# KiCad board mist1010.kicad_pcb (continued)
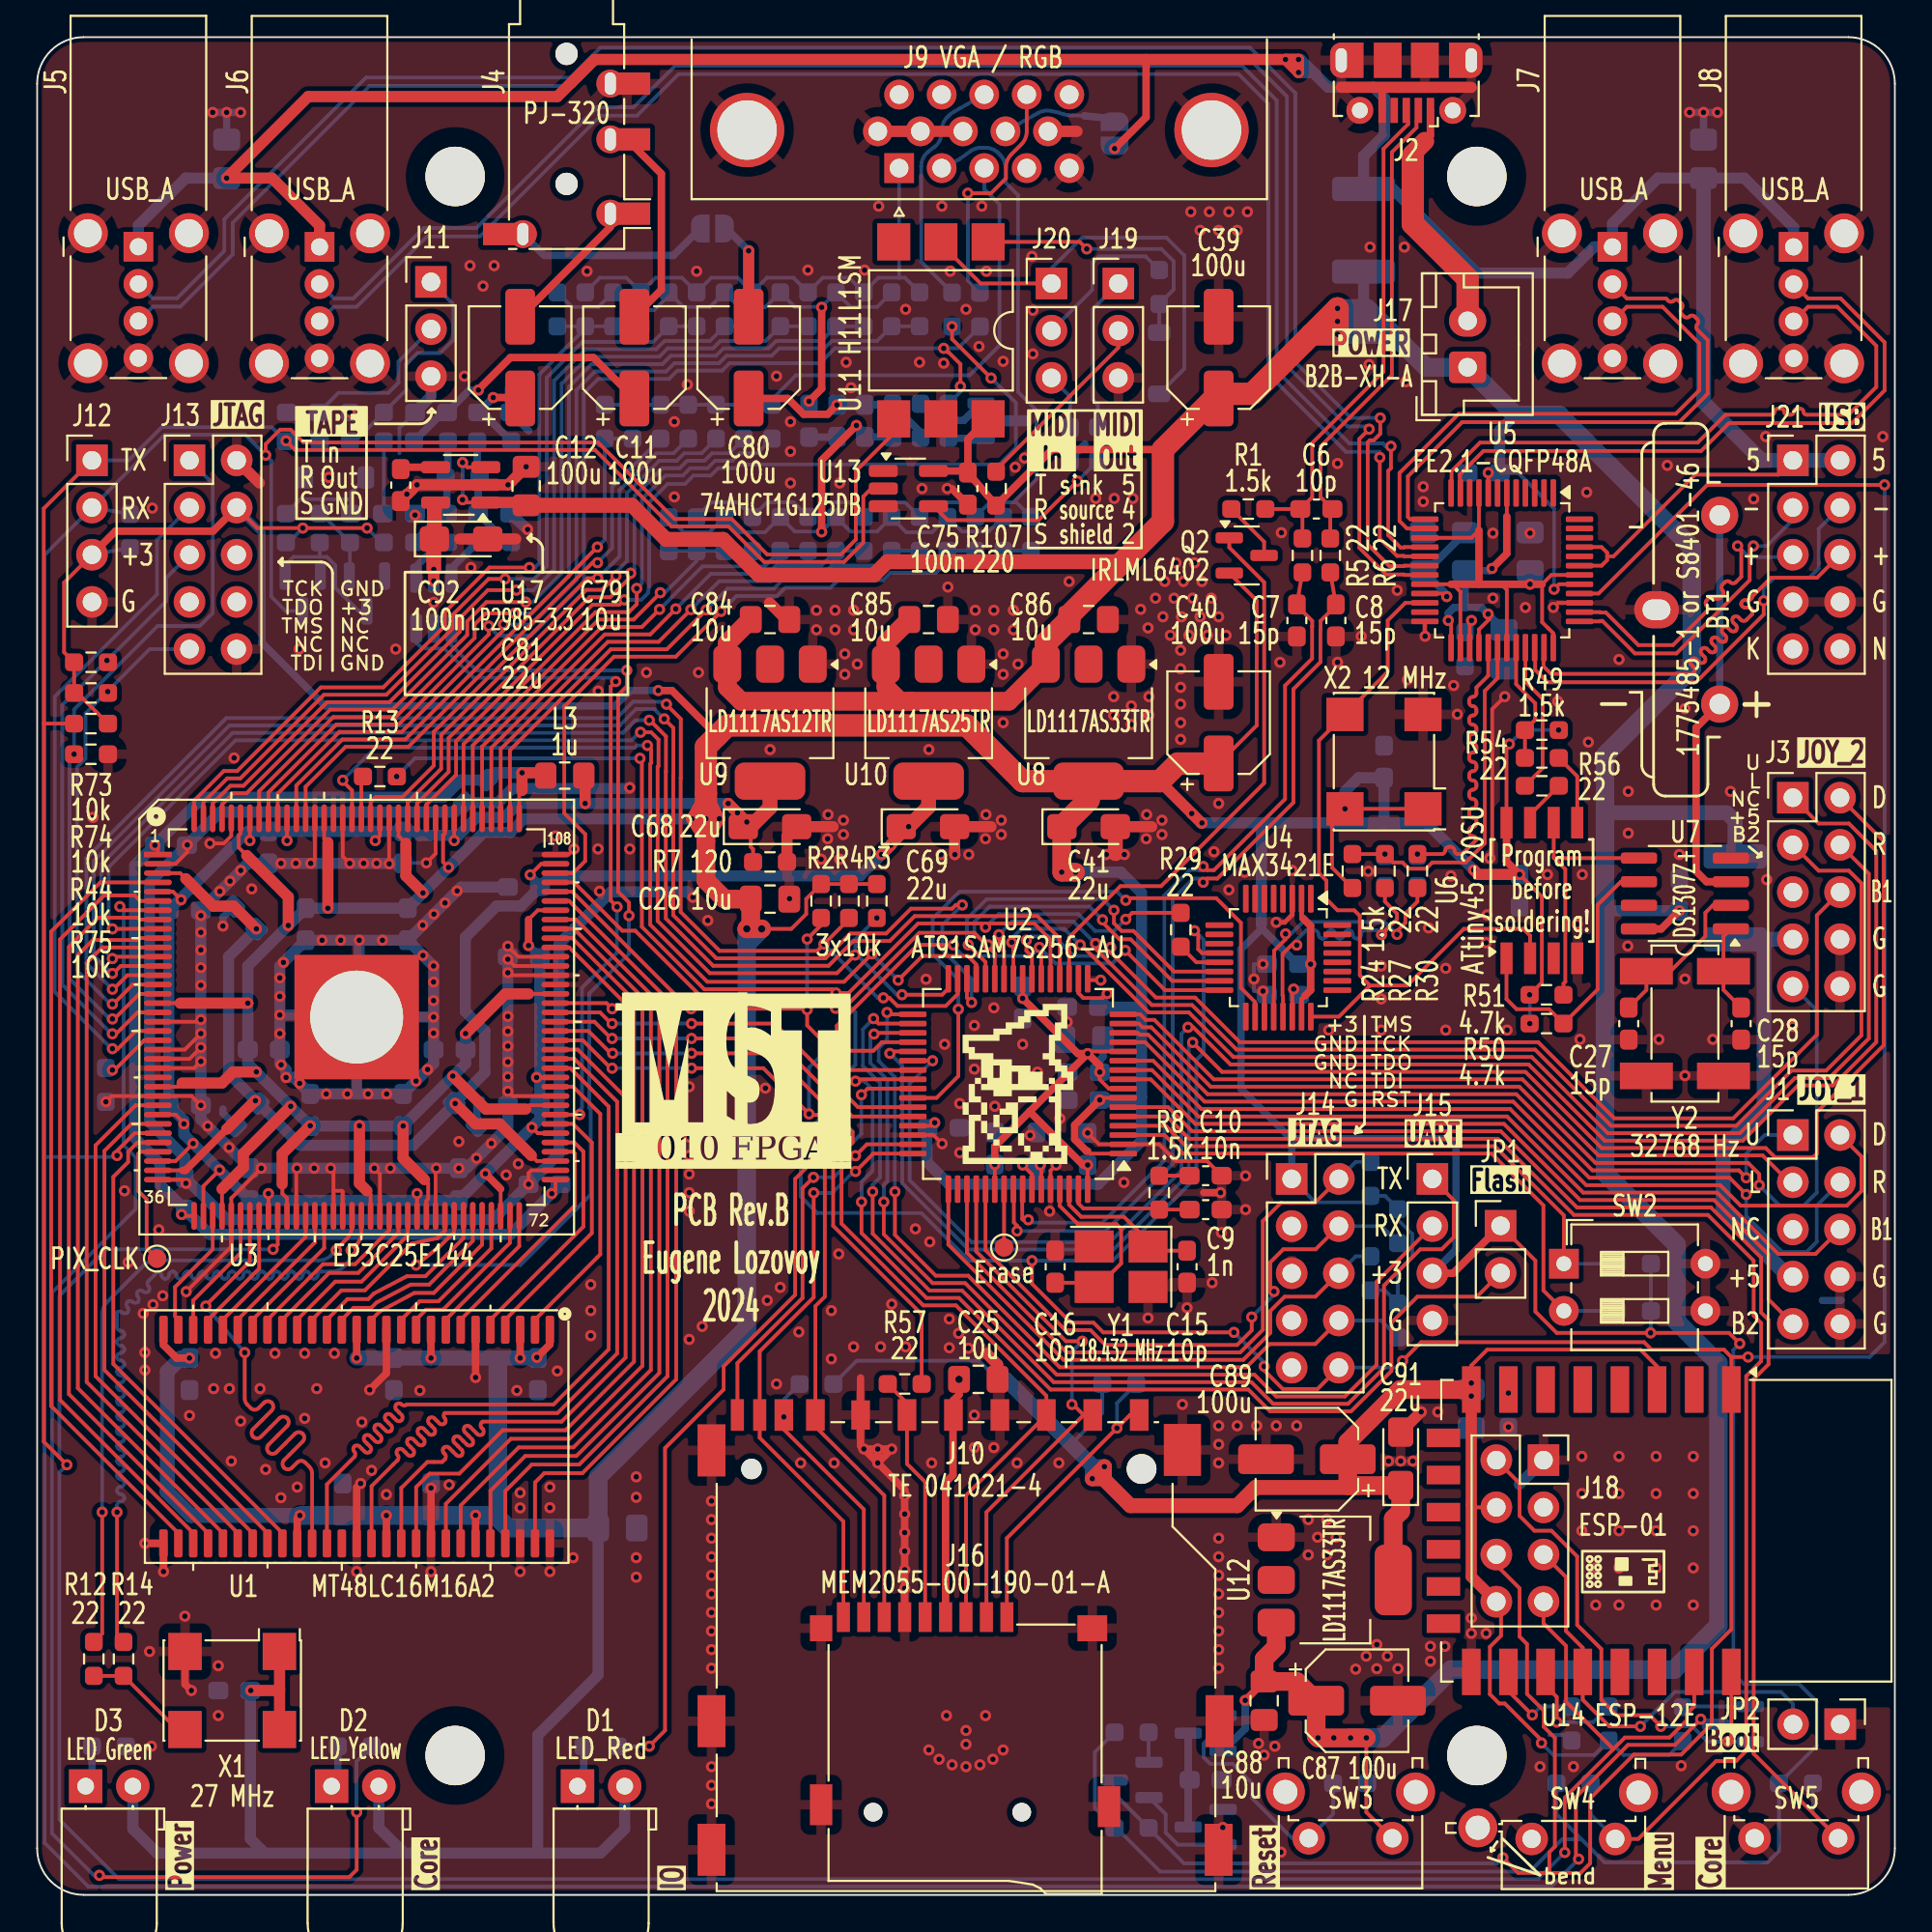
[diagram p0: board, top side]
## Footprints (pads in the part's own frame, mm; a bottom-side part is the same pattern mirrored in y, then rotated) (continued)
  rrect 0.3x1.475 smd: 13(-2.75,-4.162) 14(-2.25,-4.162) 15(-1.75,-4.162) 16(-1.25,-4.162) 17(-0.75,-4.162) 18(-0.25,-4.162) 19(0.25,-4.162) 20(0.75,-4.162) 21(1.25,-4.162) 22(1.75,-4.162) 23(2.25,-4.162) 24(2.75,-4.162) 37(2.75,4.162) 38(2.25,4.162) 39(1.75,4.162) 40(1.25,4.162) 41(0.75,4.162) 42(0.25,4.162) 43(-0.25,4.162) 44(-0.75,4.162) 45(-1.25,4.162) 46(-1.75,4.162) 47(-2.25,4.162) 48(-2.75,4.162)
MountingHole_3.2mm_M3_dk5.2mm_Mask
  round 5.2 hole 3.2 unplated: (0,0)
Oscillator_SMD_7050_7.0x5.0mm
  rect 1.8x2 smd: 1(-2.54,-2.1) 2(2.54,-2.1) 3(2.54,2.1) 4(-2.54,2.1)
PinHeader_1x02_P2.54mm_Vertical
  rect 1.7x1.7 hole 1: 1(0,0)
  oval 1.7x1.7 hole 1: 2(0,-2.54)
PinHeader_1x03_P2.54mm_Vertical
  rect 1.7x1.7 hole 1: 1(0,0)
  oval 1.7x1.7 hole 1: 2(0,-2.54) 3(0,-5.08)
PinHeader_1x04_P2.54mm_Vertical
  rect 1.7x1.7 hole 1: 1(0,0)
  oval 1.7x1.7 hole 1: 2(0,-2.54) 3(0,-5.08) 4(0,-7.62)
PinHeader_2x05_P2.54mm_Vertical
  rect 1.7x1.7 hole 1: 1(0,0)
  oval 1.7x1.7 hole 1: 2(2.54,0) 3(0,-2.54) 4(2.54,-2.54) 5(0,-5.08) 6(2.54,-5.08) 7(0,-7.62) 8(2.54,-7.62) 9(0,-10.16) 10(2.54,-10.16)
PinSocket_2x04_P2.54mm_Vertical
  rect 1.7x1.7 hole 1: 1(0,0)
  oval 1.7x1.7 hole 1: 2(-2.54,0) 3(0,-2.54) 4(-2.54,-2.54) 5(0,-5.08) 6(-2.54,-5.08) 7(0,-7.62) 8(-2.54,-7.62)
PJ-320A_D
  round 1.2 hole 1.2 unplated: (0,3.5) (0,-3.5)
  round 1.5 hole 0.6x1.2: R1(2.35,-1.1) R2(2.35,1.9) S(-2.35,-6.2) T(2.35,-5.1)
  rect 2.5x1.2 smd: R1(3.25,-1.1) R2(3.25,1.9) S(-3.25,-6.2) T(3.25,-5.1)
R_0603_1608Metric_Pad0.98x0.95mm_HandSolder
  rrect 0.975x0.95 smd: 1(-0.912,0) 2(0.912,0)
SD_TE_2041021-mod
  round 1.1 hole 1.1 unplated: (-11.5,9.175)
  round 1.6 hole 1.6 unplated: (9.5,9.175)
  rect 1x1.7 smd: 1(6.875,12.08) 2(4.375,12.08) 3(1.875,12.08) 4(-0.625,12.08) 5(-3.125,12.08) 7(-8.055,12.08) 8(-9.755,12.08) 9(9.375,12.08)
  rect 1x1.57 smd: 6(-5.625,12.08)
  rect 0.7x1.7 smd: 10(-11.055,12.08) 11(-12.255,12.08)
  rect 1.5x2.8 smd: 12(-13.65,10.175) 13(-13.65,-4.4) 13(-13.65,-11.325) 13(13.65,-11.325) 13(13.7,-4.4)
  rect 2x2.8 smd: 12(11.7,10.2)
SMDIP-6_W9.53mm
  rect 2x1.78 smd: 1(-4.765,2.54) 2(-4.765,0) 3(-4.765,-2.54) 4(4.765,-2.54) 5(4.765,0) 6(4.765,2.54)
SOIC-8_3.9x4.9mm_P1.27mm
  rrect 1.95x0.6 smd: 1(-2.475,1.905) 2(-2.475,0.635) 3(-2.475,-0.635) 4(-2.475,-1.905) 5(2.475,-1.905) 6(2.475,-0.635) 7(2.475,0.635) 8(2.475,1.905)
SOIC-8W_5.3x5.3mm_P1.27mm
  rect 1.7x0.65 smd: 1(-3.65,1.905) 2(-3.65,0.635) 3(-3.65,-0.635) 4(-3.65,-1.905) 5(3.65,-1.905) 6(3.65,-0.635) 7(3.65,0.635) 8(3.65,1.905)
SolderJumper-2_P1.3mm_Open_RoundedPad1.0x1.5mm
  custom 1x1.5 smd: 1(-0.65,0) 2(0.65,0)
SOT-23
  rrect 1.475x0.6 smd: 1(-0.938,0.95) 2(-0.938,-0.95) 3(0.938,0)
SOT-23-5_HandSoldering
  rrect 1.56x0.65 smd: 1(-1.35,0.95) 2(-1.35,0) 3(-1.35,-0.95) 4(1.35,-0.95) 5(1.35,0.95)
SOT-23-6_Handsoldering
  rrect 1.56x0.65 smd: 1(-1.35,0.95) 2(-1.35,0) 3(-1.35,-0.95) 4(1.35,-0.95) 5(1.35,0) 6(1.35,0.95)
SOT-223-3_TabPin2
  rrect 2x1.5 smd: 1(-3.15,2.3) 2(-3.15,0) 3(-3.15,-2.3)
  rrect 2x3.8 smd: 2(3.15,0)
SW_DIP_SPSTx02_Slide_6.7x6.64mm_W7.62mm_P2.54mm_LowProfile
  rect 1.6x1.6 hole 0.8: 1(0,0)
  oval 1.6x1.6 hole 0.8: 2(0,-2.54) 3(7.62,-2.54) 4(7.62,0)
SW_Tactile_SPST_Angled_PTS645Vx58-2LFS
  round 2.1 hole 1.3: (-1.25,-2.49) (7.4,-0.6)
  round 1.75 hole 0.99: 1(0,0) 2(4.5,0)
SW_Tactile_SPST_Angled_PTS645Vx58-2LFS#2
  round 2.1 hole 1.3: (-1.25,-2.49) (5.76,-2.49)
  round 1.75 hole 0.99: 1(0,0) 2(4.5,0)
TestPoint_Pad_D1.0mm
  round 1 smd: 1(0,0)
TQFP-64_10x10mm_P0.5mm
  rrect 1.475x0.3 smd: 1(-5.662,3.75) 2(-5.662,3.25) 3(-5.662,2.75) 4(-5.662,2.25) 5(-5.662,1.75) 6(-5.662,1.25) 7(-5.662,0.75) 8(-5.662,0.25) 9(-5.662,-0.25) 10(-5.662,-0.75) 11(-5.662,-1.25) 12(-5.662,-1.75) 13(-5.662,-2.25) 14(-5.662,-2.75) 15(-5.662,-3.25) 16(-5.662,-3.75) 33(5.662,-3.75) 34(5.662,-3.25) 35(5.662,-2.75) 36(5.662,-2.25) 37(5.662,-1.75) 38(5.662,-1.25) 39(5.662,-0.75) 40(5.662,-0.25) 41(5.662,0.25) 42(5.662,0.75) 43(5.662,1.25) 44(5.662,1.75) 45(5.662,2.25) 46(5.662,2.75) 47(5.662,3.25) 48(5.662,3.75)
  rrect 0.3x1.475 smd: 17(-3.75,-5.662) 18(-3.25,-5.662) 19(-2.75,-5.662) 20(-2.25,-5.662) 21(-1.75,-5.662) 22(-1.25,-5.662) 23(-0.75,-5.662) 24(-0.25,-5.662) 25(0.25,-5.662) 26(0.75,-5.662) 27(1.25,-5.662) 28(1.75,-5.662) 29(2.25,-5.662) 30(2.75,-5.662) 31(3.25,-5.662) 32(3.75,-5.662) 49(3.75,5.662) 50(3.25,5.662) 51(2.75,5.662) 52(2.25,5.662) 53(1.75,5.662) 54(1.25,5.662) 55(0.75,5.662) 56(0.25,5.662) 57(-0.25,5.662) 58(-0.75,5.662) 59(-1.25,5.662) 60(-1.75,5.662) 61(-2.25,5.662) 62(-2.75,5.662) 63(-3.25,5.662) 64(-3.75,5.662)
TSOP-II-54_22.2x10.16mm_P0.8mm
  rrect 1.51x0.458 smd: 1(-5.75,10.4) 2(-5.75,9.6) 3(-5.75,8.8) 4(-5.75,8) 5(-5.75,7.2) 6(-5.75,6.4) 7(-5.75,5.6) 8(-5.75,4.8) 9(-5.75,4) 10(-5.75,3.2) 11(-5.75,2.4) 12(-5.75,1.6) 13(-5.75,0.8) 14(-5.75,0) 15(-5.75,-0.8) 16(-5.75,-1.6) 17(-5.75,-2.4) 18(-5.75,-3.2) 19(-5.75,-4) 20(-5.75,-4.8) 21(-5.75,-5.6) 22(-5.75,-6.4) 23(-5.75,-7.2) 24(-5.75,-8) 25(-5.75,-8.8) 26(-5.75,-9.6) 27(-5.75,-10.4) 28(5.75,-10.4) 29(5.75,-9.6) 30(5.75,-8.8) 31(5.75,-8) 32(5.75,-7.2) 33(5.75,-6.4) 34(5.75,-5.6) 35(5.75,-4.8) 36(5.75,-4) 37(5.75,-3.2) 38(5.75,-2.4) 39(5.75,-1.6) 40(5.75,-0.8) 41(5.75,0) 42(5.75,0.8) 43(5.75,1.6) 44(5.75,2.4) 45(5.75,3.2) 46(5.75,4) 47(5.75,4.8) 48(5.75,5.6) 49(5.75,6.4) 50(5.75,7.2) 51(5.75,8) 52(5.75,8.8) 53(5.75,9.6) 54(5.75,10.4)
USB_A_Wuerth_614004134726_Horizontal
  rect 1.6x1.6 hole 0.92: 1(0,0)
  round 1.6 hole 0.92: 2(2,0) 3(4,0) 4(6,0)
  round 2.15 hole 1.5: 5(-0.73,2.72) 5(-0.73,-2.72) 5(6.27,2.72) 5(6.27,-2.72)
USB_Micro-B_Molex-105017-0001
  rect 0.4x1.35 smd: 1(-1.3,1.462) 2(-0.65,1.462) 3(0,1.462) 4(0.65,1.462) 5(1.3,1.462)
  oval 1.2x1.9 hole 0.6x1.3: 6(-3.5,-1.238) 6(3.5,-1.238)
  rect 1.2x1.9 smd: 6(-2.9,-1.238) 6(2.9,-1.238)
  round 1.45 hole 0.85: 6(-2.5,1.462) 6(2.5,1.462)
  rect 1.5x1.9 smd: 6(-1,-1.238) 6(1,-1.238)

## Nets
+1V2: C42.2 C43.2 C44.2 C45.2 C46.2 C47.2 C48.2 C49.2 C68.1 L3.1 R7.1 U3.5 U3.29 U3.34 U3.38 U3.45 U3.61 U3.70 U3.78 U3.84 U3.102 U3.116 U3.124 U3.134 U3.138 U9.2
+1V2_PLL: C70.2 C71.2 C72.2 C73.2 L3.2 U3.1 U3.37 U3.73 U3.109
+2V5: C35.2 C36.2 C37.2 C38.2 C69.1 U3.3 U3.35 U3.75 U3.107 U10.2
+3V3: C26.2 C31.2 C40.1 C41.1 C50.2 C51.2 C52.2 C53.2 C54.2 C55.2 C56.2 C57.2 C58.2 C59.2 C60.2 C61.2 C62.2 C63.2 C64.2 C65.2 C66.2 C67.2 C74.2 D1.2 D2.2 D3.2 J12.3 J13.4 J14.1 J15.3 JP1.1 Q2.2 R2.1 R3.1 R4.1 R24.1 R38.1 R44.1 R48.2 R49.1 R50.1 R51.1 R55.2 R58.2 R60.1 R61.1 R62.1 R63.1 R68.1 R69.1 R70.1 R71.1 R72.1 R73.1 R74.1 U1.1 U1.3 U1.9 U1.14 U1.27 U1.37 U1.43 U1.49 U2.1 U2.7 U2.18 U2.45 U2.58 U2.59 U3.17 U3.26 U3.40 U3.47 U3.56 U3.62 U3.81 U3.93 U3.117 U3.122 U3.130 U3.139 U4.2 U4.23 U6.8 U8.2 X1.1 X1.4 X2.1 X2.4
+3V3_2: C89.1 C90.2 C91.1 J18.4 J18.8 L2.1 R53.1 R59.1 R64.1 R109.2 U12.2 U14.3 U14.8
+3V3A: C81.1 U16.5 U17.5
+5V: C30.2 C32.2 C39.1 C75.2 C79.2 C84.2 C85.2 C86.2 C87.1 C88.2 F1.1 F2.1 J17.1 Q5.2 R107.2 SW3.1 U5.8 U5.41 U7.8 U8.3 U9.3 U10.3 U11.6 U12.3 U13.5 U17.1 U17.3
+5V_JOY: F2.2 J1.7 J3.7
+5V_USB: C33.2 C34.2 F1.2 J5.1 J6.1 J7.1 J8.1 J21.1 J21.2 JP3.2 U5.43 U5.45
GND: BT1.2 C1.1 C2.1 C3.1 C4.1 C5.1 C7.2 C8.2 C9.2 C10.2 C13.2 C14.2 C15.2 C16.2 C17.1 C18.1 C19.1 C20.2 C21.2 C22.1 C25.1 C26.1 C27.2 C28.2 C29.1 C30.1 C31.1 C32.1 C33.1 C34.1 C35.1 C36.1 C37.1 C38.1 C39.2 C40.2 C41.2 C42.1 C43.1 C44.1 C45.1 C46.1 C47.1 C48.1 C49.1 C50.1 C51.1 C52.1 C53.1 C54.1 C55.1 C56.1 C57.1 C58.1 C59.1 C60.1 C61.1 C62.1 C63.1 C64.1 C65.1 C66.1 C67.1 C68.2 C69.2 C70.1 C71.1 C72.1 C73.1 C74.1 C75.1 C76.2 C79.1 C81.2 C82.2 C83.2 C84.1 C85.1 C86.1 C87.2 C88.1 C89.2 C90.1 C91.2 C92.1 D4.2 J1.8 J1.10 J2.5 J2.6 J3.8 J3.10 J4.R2 J5.4 J5.5 J6.4 J6.5 J7.4 J7.5 J8.4 J8.5 J9.0 J9.5 J9.6 J9.7 J9.8 J9.10 J10.3 J10.6 J10.12 J10.13 J11.3 J12.4 J13.2 J13.10 J14.3 J14.5 J14.9 J15.4 J16.6 J16.10 J16.11 J18.1 J19.3 J21.7 J21.8 JP2.1 Q1.2 Q4.2 R7.2 R9.1 R36.2 R47.2 R67.2 R75.2 R89.2 R110.2 R111.2 SW2.3 SW2.4 SW4.2 SW5.2 U1.6 U1.12 U1.28 U1.41 U1.46 U1.52 U1.54 U2.2 U2.17 U2.46 U2.60 U3.2 U3.19 U3.22 U3.23 U3.24 U3.25 U3.27 U3.36 U3.41 U3.48 U3.52 U3.53 U3.57 U3.63 U3.74 U3.82 U3.94 U3.95 U3.96 U3.97 U3.108 U3.118 U3.123 U3.128 U3.129 U3.131 U3.140 U3.145 U4.3 U4.19 U5.10 U5.24 U5.39 U6.4 U7.4 U8.1 U9.1 U10.1 U11.5 U12.1 U13.1 U13.3 U14.15 U15.1 U16.2 U17.2 X1.2 X2.2 Y1.2 Y1.4 Y2.2 Y2.3
+BATT: BT1.1 U7.3
/ARM_TCK: J14.4 R70.2 U2.53
/ARM_TDI: J14.8 R72.2 U2.33
/ARM_TDO: J14.6 R71.2 U2.49
/ARM_TMS: J14.2 R69.2 U2.51
/AUDIO_L: U3.65 U16.1
/AUDIO_R: U3.80 U16.3
/B: J9.3 R33.2 R34.2 R35.2 R37.2 R39.2 R40.2 R41.2
/Button1: R62.2 SW4.1 U2.5
/Button2: R63.2 SW5.1 U2.6
/CLK_12: U4.24 U5.22 U6.2 X2.3
/CLK_27: R12.1 R14.1 X1.3
/CONF_DATA0: U2.30 U3.13
/CONF_DCLK: U2.20 U3.12
/CONF_DONE: R2.2 U2.36 U3.92
/CONF_NCONFIG: R4.2 U2.31 U3.14
/CONF_NSTATUS: R3.2 U2.32 U3.9
/CVBS: C80.2 JP4.2
/CVBS_C: L5.1 R76.2 R77.2 R78.2 R79.2 R80.2 R81.2 R82.2
/CVBS_Y: C78.2 L6.1 R83.2 R84.2 R85.2 R86.2 R87.2 R88.2 R90.2
/DM_PUP: Q2.1 U2.19
/ESP_BOOT: J18.5 JP2.2 U14.18
/ESP_TX: J18.2 Q3.2 U14.22
/FPGA_TCK: J13.1 R75.1 U3.16
/FPGA_TDI: J13.9 R74.2 U3.15
/FPGA_TDO: J13.3 U3.20
/FPGA_TMS: J13.5 R73.2 U3.18
/G: J9.2 R22.2 R23.2 R25.2 R26.2 R28.2 R31.2 R32.2
/HS: J9.13 R43.2
/MISO: J10.7 J16.7 U2.27 U3.105 U4.15
/MOSI: J10.2 J16.3 U2.22 U3.88 U4.16
/PIXEL_CLK: TP1.1 U3.33
/R: J9.1 R15.2 R16.2 R17.2 R18.2 R19.2 R20.2 R21.2
/RAM_A0: U1.23 U3.49
/RAM_A1: U1.24 U3.44
/RAM_A2: U1.25 U3.42
/RAM_A3: U1.26 U3.39
/RAM_A4: U1.29 U3.4
/RAM_A5: U1.30 U3.6
/RAM_A6: U1.31 U3.8
/RAM_A7: U1.32 U3.10
/RAM_A8: U1.33 U3.11
/RAM_A9: U1.34 U3.28
/RAM_A10: U1.22 U3.50
/RAM_A11: U1.35 U3.30
/RAM_A12: U1.36 U3.32
/RAM_BA0: U1.20 U3.58
/RAM_BA1: U1.21 U3.51
/RAM_CLK: U1.38 U3.43
/RAM_DQ0: U1.2 U3.83
/RAM_DQ1: U1.4 U3.79
/RAM_DQ2: U1.5 U3.77
/RAM_DQ3: U1.7 U3.76
/RAM_DQ4: U1.8 U3.72
/RAM_DQ5: U1.10 U3.71
/RAM_DQ6: U1.11 U3.69
/RAM_DQ7: U1.13 U3.68
/RAM_DQ8: U1.42 U3.86
/RAM_DQ9: U1.44 U3.87
/RAM_DQ10: U1.45 U3.98
/RAM_DQ11: U1.47 U3.99
/RAM_DQ12: U1.48 U3.100
/RAM_DQ13: U1.50 U3.101
/RAM_DQ14: U1.51 U3.103
/RAM_DQ15: U1.53 U3.104
/RAM_DQMH: U1.39 U3.85
/RAM_DQML: U1.15 U3.67
/RTC_DN: R49.2 R54.2 U5.32
/RTC_DP: R56.2 U5.33
/RX_ARM: J15.2 U2.35
/RX_FPGA: J12.2 Q1.3 Q3.3 R48.1 U3.31 U11.4
/SCK: R13.2 R29.1 R57.1 U2.21
/SD_CD: J10.10 J16.9 U2.48
/SD_CLK: J10.5 J16.5 R57.2
/SD_DAT1: J10.8 J16.8 R64.2
/SD_DAT2: J10.9 J16.1 R53.2
/SD_VDD: C25.2 J10.4 J16.4 L2.2
/SD_WP: J10.11 U2.47
/SS0: U2.28 U4.14
/SS1: J10.1 J16.2 U2.52
/SS2/FPGA: U2.29 U3.127
/SS3/OSD: U2.43 U3.91
/SS4/SD_DIRECT: U2.44 U3.90
/Switch1: R60.2 SW2.1 U2.4
/Switch2: R61.2 SW2.2 U2.3
/TAPE_IN: J11.1 R65.1 R67.1
/TAPE_OUT: C23.1 J11.2
/TX_ARM: J15.1 U2.34
/TX_FPGA: J12.1 J18.7 R44.2 R52.1 U3.46 U13.2 U14.21
/UDN: C6.2 J2.2 R6.1
/UDP: C6.1 J2.3 R1.2 R5.1
/USB1_DN: J5.2 U5.18
/USB1_DP: J5.3 U5.19
/USB2_DN: J6.2 U5.16
/USB2_DP: J6.3 U5.17
/USB3_DN: J7.2 U5.13
/USB3_DP: J7.3 U5.14
/USB4_DN: J8.2 U5.11
/USB4_DP: J8.3 U5.12
/USB6_DN: J21.4 U5.34
/USB6_DP: J21.6 U5.35
/USB7_DN: J21.3 U5.37
/USB7_DP: J21.5 U5.38
/USBDEV_DN: C8.1 R6.2 U2.56
/USBDEV_DP: C7.1 R5.2 U2.57
/USBH_INT: U2.42 U4.18
/USBHOST_DN: C21.1 R30.2 U5.29
/USBHOST_DP: C20.1 R24.2 R27.2 U5.30
/VGA_B0: R41.1 U3.115
/VGA_B1: R40.1 U3.120
/VGA_B2: R39.1 U3.121
/VGA_B3: R37.1 U3.125
/VGA_B4: R35.1 U3.132
/VGA_B5: R33.1 R34.1 U3.133
/VGA_G0: R32.1 R90.1 U3.106
/VGA_G1: R31.1 R88.1 U3.110
/VGA_G2: R28.1 R87.1 U3.111
/VGA_G3: R26.1 R86.1 U3.112
/VGA_G4: R25.1 R85.1 U3.113
/VGA_G5: R22.1 R23.1 R83.1 R84.1 U3.114
/VGA_HS: Q6.3 R43.1 U3.119
/VGA_R0: R21.1 R82.1 U3.135
/VGA_R1: R20.1 R81.1 U3.137
/VGA_R2: R19.1 R80.1 U3.141
/VGA_R3: R18.1 R79.1 U3.142
/VGA_R4: R17.1 R78.1 U3.143
/VGA_R5: R15.1 R16.1 R76.1 R77.1 U3.144
/VGA_VS: R42.1 R101.2 U3.136
/VS: J9.14 R42.2
/~{JOY0_B1}: J1.6 U2.10
/~{JOY0_B2}: J1.9 U2.9
/~{JOY0_DOWN}: J1.2 U2.11
/~{JOY0_LEFT}: J1.3 U2.16
/~{JOY0_RIGHT}: J1.4 U2.13
/~{JOY0_UP}: J1.1 U2.14
/~{JOY1_B1}: J3.6 U2.23
/~{JOY1_B2}: J3.9 U2.15
/~{JOY1_DOWN}: J3.2 U2.37
/~{JOY1_LEFT}: J3.3 U2.26
/~{JOY1_RIGHT}: J3.4 U2.25
/~{JOY1_UP}: J3.1 U2.38
/~{LED_ARM}: R45.2 U2.41
/~{LED_FPGA}: R46.2 U3.7
/~{RAM_CAS}: U1.17 U3.64
/~{RAM_CS}: U1.19 U3.59
/~{RAM_RAS}: U1.18 U3.60
/~{RAM_WE}: U1.16 U3.66
/~{RST}: J14.10 J18.6 Q7.3 R68.2 U2.39 U3.89 U4.12 U5.40 U14.1
Net-(C10-Pad1): C10.1 R8.1
Net-(C11-Pad1): C11.1 C13.1 R99.2
Net-(C11-Pad2): C11.2 J4.R1
Net-(C12-Pad1): C12.1 C14.1 R104.2
Net-(C12-Pad2): C12.2 J4.T
Net-(C23-Pad2): C23.2 R52.2
Net-(C24-Pad2): C24.2 R65.2
Net-(C77-Pad1): C77.1 C78.1 C80.1 L6.2 R102.2
Net-(C77-Pad2): C77.2 L5.2
Net-(C82-Pad1): C82.1 R10.2 R99.1 R100.2
Net-(C83-Pad1): C83.1 R11.1 R100.1 R104.1
Net-(D1-K): D1.1 R45.1
Net-(D2-K): D2.1 R46.1
Net-(D3-K): D3.1 R47.1
Net-(D4-K): C24.1 D4.1 R66.1
Net-(D5-A): D5.2 J20.1 U11.2
Net-(D5-K): D5.1 R106.1 U11.1
Net-(J17-Pin_2): J2.1 J17.2
Net-(J19-Pin_1): J19.1 R108.2
Net-(J19-Pin_2): J19.2 R107.1
Net-(J20-Pin_2): J20.2 R106.2
Net-(J20-Pin_3): C76.1 J20.3
Net-(JP1-B): JP1.2 U2.40
Net-(JP3-A): J9.9 JP3.1
Net-(JP4-A): J4.S JP4.1
Net-(Q1-B): Q1.1 Q4.3 R55.1
Net-(Q2-D): Q2.3 R1.1
Net-(Q3-B): Q3.1 R59.2
Net-(Q4-B): Q4.1 R58.1 R66.2
Net-(Q5-B): Q5.1 R89.1 SW3.2
Net-(Q5-C): C29.2 Q5.3 U15.3
Net-(Q6-B): Q6.1 R101.1
Net-(Q6-E): Q6.2 R102.1
Net-(Q7-B): Q7.1 R38.2
Net-(Q7-E): Q7.2 U15.2
Net-(R10-Pad1): R10.1 U16.4
Net-(R11-Pad2): R11.2 U16.6
Net-(R108-Pad1): R108.1 U13.4
Net-(U2-ERASE): TP2.1 U2.55
Net-(U2-PLLRC): C9.1 R8.2 U2.63
Net-(U2-VDDOUT): C1.2 C2.2 C3.2 C4.2 C5.2 U2.8 U2.12 U2.24 U2.54 U2.64
Net-(U2-XIN/PGMCK): C15.1 U2.62 Y1.1
Net-(U2-XOUT): C16.1 U2.61 Y1.3
Net-(U3-CLK8/DIFFCLK_5n): R13.1 U3.126
Net-(U3-CLK12/DIFFCLK_7n): R14.2 U3.55
Net-(U3-CLK13/DIFFCLK_7p): R12.2 U3.54
Net-(U3-nCE): R9.2 U3.21
Net-(U4-D+): R27.1 U4.21
Net-(U4-D-): R30.1 U4.20
Net-(U4-SCK): R29.2 U4.13
Net-(U4-VBCOMP): C22.2 U4.22
Net-(U5-REXT): R36.1 U5.27
Net-(U5-VD18_O): C18.2 L1.1 U5.6 U5.25 U5.28
Net-(U5-VD_PLL): C17.2 L1.2 U5.21
Net-(U5-VDD3_O): C19.2 U5.9 U5.15 U5.20 U5.26 U5.31 U5.36 U5.42
Net-(U6-AREF/PB0): R54.1 U6.5
Net-(U6-PB1): R51.2 U6.6 U7.5
Net-(U6-PB2): R56.1 U6.7
Net-(U6-~{RESET}/PB5): R50.2 U6.1 U7.6
Net-(U7-X1): C28.1 U7.1 Y2.4
Net-(U7-X2): C27.1 U7.2 Y2.1
Net-(U14-GPIO2): R109.1 U14.17
Net-(U14-GPIO13): R111.1 U14.7
Net-(U14-GPIO15): R110.1 U14.16
Net-(U17-BP): C92.2 U17.4

Pads without a net: J1 5; J2 4; J3 5; J9 4 11 12 15; J13 6 7 8; J14 7; J18 3; J21 9 10; U1 40; U2 50; U4 1 4 5 6 7 8 9 10 11 17 25 26 27 28 29 30 31 32; U5 1 2 3 4 5 7 23 44 46 47 48; U6 3; U7 7; U11 3; U14 2 4 5 6 9 10 11 12 13 14 19 20

## Via types
v1: diameter 0.6, hole 0.3, Top to Bottom, 820 vias
v2: diameter 0.7, hole 0.4, Top to Bottom, 3 vias

## Routing (per net, layer and track width the routed paths; a pad name or vN(x,y) marks a point on that pad's centre or on a via; arc(x,y) is an arc through that point)
+1V2: length 112.8
  Top w0.2: U3.5 7.31,54 v1(7.75,53.57) ; U3.70 24.95,38 ; v1(7.9,41.5) 7.9,41.55 7.45,42 U3.29 ; U3.45 v1(12.45,37.75) ; U3.84 v1(26.89,44) ; U3.102 26.95,53 26.45,52.5 ; v1(8.39,40.44) 7.45,39.5 U3.34 ; v1(26.63,41.32) 26.95,41 U3.78 ; U3.61 v1(20.45,37.75) ; U3.134 v1(13.45,56.75) ; v1(9.82,39.02) 8.95,38.15 U3.38 ; U3.138 v1(11.45,56.75) ; U3.116 v1(22.45,56.75) ; U3.124 18.45,57 v1(18.2,56.75) ; 38.41,57.5 38.41,56.41 38.54,56.29 R7.1
  Top w0.4: 26.45,52.5 v1(26.45,51.1) ; 24.95,38 v1(24.13,38.82)
  Top w0.6: 29.42,60.25 29.5,60.17 v1(29.5,58.75) ; v1(38.2,57.75) v1(37.7,58.25) v1(37.2,58.75)
  Top w0.8: 38.41,57.5 39.45,58.54 U9.2
  Bottom w0.2: 11.34,57.25 11.45,57.14 v1(11.45,56.75) ; v1(22.45,56.75) 22.45,56.8 22.67,57.03 ; v1(26.89,44) 26.95,44 27.06,43.89 ; v1(20.45,37.75) 20.45,37.52 20.31,37.39 ; 12.56,37.39 12.45,37.5 v1(12.45,37.75) ; v1(18.2,56.75) 18.2,57.25 ; v1(13.45,56.75) 13.45,57.25
  Bottom w0.4: C44.2 26.46,51.1 v1(26.45,51.1)
  Bottom w0.6: C44.2 C47.2 27.06,41.75 v1(26.63,41.32) v1(24.13,38.82) C49.2 C48.2 v1(8.39,40.44) 7.9,40.94 v1(7.9,41.5) 7.9,41.69 C46.2 C43.2 11.34,57.25 C45.2 C42.2 20.35,57.25 20.57,57.03 22.67,57.03 23.64,57.99 25.14,57.99 25.9,58.75 v1(29.5,58.75) v1(37.2,58.75) v1(37.7,58.25) v1(38.2,57.75)
+1V2_PLL: length 70.5
  Top w0.2: v1(27.7,37.75) 27.9,37.95 U3.73 ; v1(7.78,36.62) 7.85,36.55 U3.37 ; U3.1 6.5,56.34 v1(6.34,56.5) ; 25.95,59.5 U3.109
  Top w0.6: 26.1,59.45 v1(26.1,60.4) 27.53,60.4
  Bottom w0.6: v1(26.1,60.4) 24.6,60.4 C70.2 22.81,60.01 21.89,59.09 8.92,59.09 v1(6.34,56.5) 5.25,55.41 5.25,40.75 6.62,39.38 6.62,38.22 C72.2 9.29,35.55 25.48,35.55 C73.2
+2V5: length 87.4
  Top w0.2: U3.35 7.84,39 ; 26.6,39.8 26.9,39.5 U3.75 ; 8.2,54.5 7.7,55 U3.3 ; v1(26.54,54.91) 27.13,55.5 U3.107
  Top w0.4: 8.2,54.5 8,54.7 ; 7.84,39 7.99,39 10.2,41.21
  Top w0.6: 8,54.7 9.48,53.22 10.58,53.22 v1(11.8,52) ; v1(11.75,42.75) 11.74,42.75 10.2,41.21 ; v1(22.5,42.6) 23.6,41.5 24.9,41.5 26.6,39.8 ; v1(46.91,57.5) 45.95,56.54 v1(45.95,56.5) v1(45.45,56)
  Top w0.8: v1(46.91,57.5) 47.99,58.57 U10.2
  Bottom w0.4: 27.06,54.39 v1(26.54,54.91)
  Bottom w0.6: 22.45,42.55 20.25,40.35 14.15,40.35 13.73,40.78 13.73,40.79 C36.2 10.3,44.22 10.3,50.5 v1(11.8,52) ; v1(46.91,57.5) 45.95,56.54 v1(45.95,56.5) v1(45.45,56) 44.3,54.85 27.66,54.85 C35.2 26.04,53.22 24.73,53.22 23.05,51.55 23.05,47.55 24.1,46.5 24.1,44.27 C37.2
+3V3: length 706.5
  Top w0.2: v1(80.34,48.45) 81,49.11 81,53.73 v1(79.8,54.93) ; U3.17 7.7,48 ; U3.122 19.45,57 19.85,56.6 ; 15.65,56.65 15.45,56.85 U3.130 ; R74.1 R73.1 1.45,66.89 1.45,70.64 J12.3 ; 7.45,43.5 U3.26 7.6,43.5 7.8,43.7 ; U3.40 9.95,38 ; v2(38.2,52) 40.6,52 41.4,52.8 41.4,53.61 R2.1 R3.1 ; 11.28,55.95 10.85,56.38 10.85,57.04 10.95,57.14 U3.139 ; U3.47 13.45,37.5 13.2,37.75 13.2,38.25 ; v1(70.4,58.46) X2.1 ; J13.4 11.84,73.57 v1(14.3,73.57) v1(17.76,73.57) ; U3.81 26.5,42.5 26.3,42.3 ; JP1.1 80.65,34.14 80.65,31.4 81.8,30.25 v1(86.85,30.25) 91.07,30.25 v1(91.65,29.67) ; v1(22.14,55.31) 21.85,55.6 21.85,57.04 21.95,57.14 U3.117 ; U2.58 53.55,38.79 v1(53.05,39.29) ; R24.1 69.7,55.3 69.7,57.76 ; U3.56 17.95,37.7 17.75,37.9 ; U2.45 48.15,41.4 v1(48.31,41.57) ; U3.93 26.45,48.5 ; 56.55,40.04 56.69,39.9 U2.1 ; v1(57.6,48.52) 57.36,48.28 56.31,48.28 56.05,48.54 U2.18 ; U2.59 54.05,39.24 v1(54,39.29) ; v1(57.2,42.79) 57.31,42.9 U2.7 ; R44.1 2.16,64.7 ; v1(79.25,61.95) 79.09,61.79 U6.8 ; Q2.2 65.65,69.67 65.65,62.95 C40.1 ; U3.62 20.95,37.36 21.05,37.46 21.05,38.3 20.85,38.5
  Top w0.25: U4.2 68.06,52.56 ; 68.25,48.4 68.06,48.21 U4.23
  Top w0.4: v1(79.8,54.93) 79.09,55.63 U6.8 ; 68.14,52.57 68.55,52.16 v1(68.55,50.1) 68.55,48.7 68.25,48.4 ; v1(26.9,28.93) 27.6,29.63 U1.1 ; v1(21.2,28.89) U1.9 ; 22.38,44.07 v1(22.38,44.07) ; 36.6,62.4 34.17,64.83 v1(33.44,64.83) ; v1(57.2,42.79) 55.85,41.44 55.85,40.68 56.49,40.04 56.55,40.04 ; U1.27 6.8,29.6 7.5,28.89 v1(8.2,28.89) ; v1(26,28.89) U1.3 ; J12.3 4.22,73.41 9.47,73.41 J13.4 ; J15.3 76.22,33.46 JP1.1 ; v1(23.6,20.43) U1.49 ; v1(18.8,20.42) U1.43 ; U1.37 14,20.28 v1(14.14,20.42) ; v1(17.2,28.89) U1.14
  Top w0.6: v1(20.77,53.93) 19.85,54.85 19.85,56.6 ; v1(79.8,54.93) 77.57,54.93 v1(77.33,55.17) ; v1(35.24,57.92) 36,59.3 v1(36.72,57.92) ; v1(35.24,57.92) 35.25,57.92 v1(36,57.92) v1(36.72,57.92) ; v1(35.24,57.92) 36,56.7 v1(36.72,57.92) ; 26.45,48.5 25.2,48.5 v1(23.06,46.36) ; v1(13.65,42.45) 11.1,39.9 11.1,39.15 9.95,38 ; v1(19.7,41.39) 19.7,39.65 20.85,38.5 ; v1(15.65,53.11) 15.65,56.65 ; v1(13.52,52.18) 13.52,53.71 11.28,55.95 ; v1(11.34,48) 7.7,48 ; v1(62.7,57.7) 62.67,57.7 60.45,59.92 60.45,59.95 ; v1(11.5,11) 13,11 13.05,11.05 ; 7.8,43.7 9.95,43.7 10.55,44.3 v1(11.8,44.3) ; 13.05,11.05 13.05,13.1 ; 13.05,11.05 13.05,8.9 ; v1(17.35,41.4) 17.35,38.3 17.75,37.9 ; 13.19,38.26 13.19,39.89 v1(14.7,41.4) ; 22.38,44.07 24.15,42.3 26.3,42.3
  Top w1: v1(55.9,55.05) v1(55.15,55.05) 55.15,57.49 ; v1(36,57.92) 36,54.6 37,53.6 C26.2 38.41,52.21 v2(38.2,52) v2(39,52)
  Top w1.2: C40.1 61.4,60.9 60.45,59.95 U8.2 ; U8.2 56.6,58.94 C41.1 ; U8.2 53.05,59.95 50.05,62.95 37.15,62.95 36,61.8 v1(36,57.92)
  Bottom w0.2: v1(80.34,48.45) 80.35,48.44 v1(80.35,46.9) ; v1(79.25,61.95) 80,62.7 v1(81.9,62.7) ; R48.2 J12.3 ; v1(14.3,73.57) 13.53,72.8 R55.2 13.35,72.76 ; R38.1 56.94,7.69 56.94,4.66 R68.1 58.1,3.6 60.45,1.25 80.35,1.25 82.09,2.99 83.14,2.99 ; v1(86.85,30.25) 86.86,30.26 R61.1 R60.1 ; R70.1 73.25,36.34 74.03,35.57 74.03,34.35 73.25,33.57 R72.1 72.53,32.55 R71.1 ; 73.28,36.91 72.56,37.63 R69.1 71.42,37.27 68.79,37.27 J14.1 ; 83.14,2.99 81.79,4.34 R62.1 ; 83.14,2.99 84.38,1.75 93.15,1.75 93.76,2.36 R63.1 95.8,8.04 95.8,10.4 94.85,11.35 91.88,11.35 91.3,11.92 91.3,29.32 v1(91.65,29.67) ; v1(17.76,73.57) 18.53,72.8 R58.2
  Bottom w0.4: J14.1 67.53,40.38 67.68,40.52 ; v1(57.6,48.52) 57.16,48.08 C63.2 ; v1(53.05,39.29) 53.77,39.29 ; J13.4 12.1,73.32 12.1,67.4 15.5,64 31.1,64 31.93,64.83 v1(33.44,64.83) ; 67.68,40.52 64.8,43.4 64.8,50.9 65.9,52 65.9,52.21 65.9,52.04 67.84,50.1 ; 67.68,40.52 67.85,40.7 75.95,40.7 76.37,40.28 76.37,34.72 J15.3 ; v1(23.6,20.43) 23.59,20.42
  Bottom w0.6: v1(70.4,58.46) 70.4,59.4 71.14,60.14 C62.2 72.5,57.7 ; 72.5,57.7 74.8,57.7 v1(77.33,55.17) ; 72.5,57.7 65.9,57.7 ; v1(68.55,50.1) C65.2 ; v1(57.2,42.79) 59.3,42.79 59.45,42.94 59.45,47.8 ; 65.9,57.7 65.9,52.21 ; 65.9,57.7 v1(62.7,57.7) 62.66,57.7 v1(62.15,58.21) ; D1.2 31.63,3.55 30.32,2.25 26.95,2.25 ; 26.95,2.25 26.95,8.6 30.2,11.85 C74.2 ; 26.95,2.25 19.75,2.25 ; v1(23.06,46.36) C56.2 23.06,44.75 v1(19.7,41.39) 17.36,41.39 v1(17.35,41.4) 17.34,41.39 C54.2 11.34,44.75 C57.2 v1(11.34,48) 11.34,50 v1(13.52,52.18) C55.2 v1(15.65,53.11) C50.2 v1(20.77,53.93) v1(22.14,55.31) 24.03,57.19 25.47,57.19 26.2,57.92 v1(35.24,57.92) 35.25,57.92 v1(36.72,57.92) ; 59.45,47.8 59.45,53.94 58.34,55.05 v1(55.9,55.05) ; 59.45,47.8 59.44,47.79 C63.2 ; 12.25,2.25 6.45,2.25 5.15,3.55 D3.2 ; 12.25,2.25 11.47,3.03 11.47,10.97 v1(11.5,11) ; 12.25,2.25 19.75,2.25 ; 53.8,38.25 49.09,38.25 47.89,39.44 47.89,41.24 ; 53.8,38.25 C67.2 ; 53.8,38.25 57.11,38.25 59.45,40.59 59.45,42.95 ; D2.2 18.39,3.61 19.75,2.25
  Bottom w0.8: v1(17.2,28.89) C61.2 v1(21.2,28.89) 24.7,28.89 24.8,28.8 24.89,28.89 C59.2 ; v1(8.2,28.89) 7.72,28.89 7,28.17 7,21.7 8.28,20.42 v1(14.14,20.42) ; 24.8,20.5 24.7,20.4
  Bottom w1: C74.2 25.35,19.75 24.68,20.42 C52.2 v1(18.8,20.42) C60.2 v1(14.14,20.42) ; 30.2,19.58 30.2,22.5 38.2,30.5 38.2,51.2 ; 38.2,51.2 v2(38.2,52) v2(39,52) 38.2,51.2 ; 24.8,20.5 24.8,28.8 ; v1(55.9,55.05) v1(55.15,55.05)
